# Altium PCB CC-B00-V00.PcbDoc (part 3 of 3)
Units mil, origin at the board's own origin, x right, y up, seen from the top; angles counter-clockwise.
Board outline 4330.71 x 2618.11 mil, 2 copper layers (Top Layer, Bottom Layer), stack 61.8 mil thick; 271 components, 197 nets, 827 pads, 294 vias.
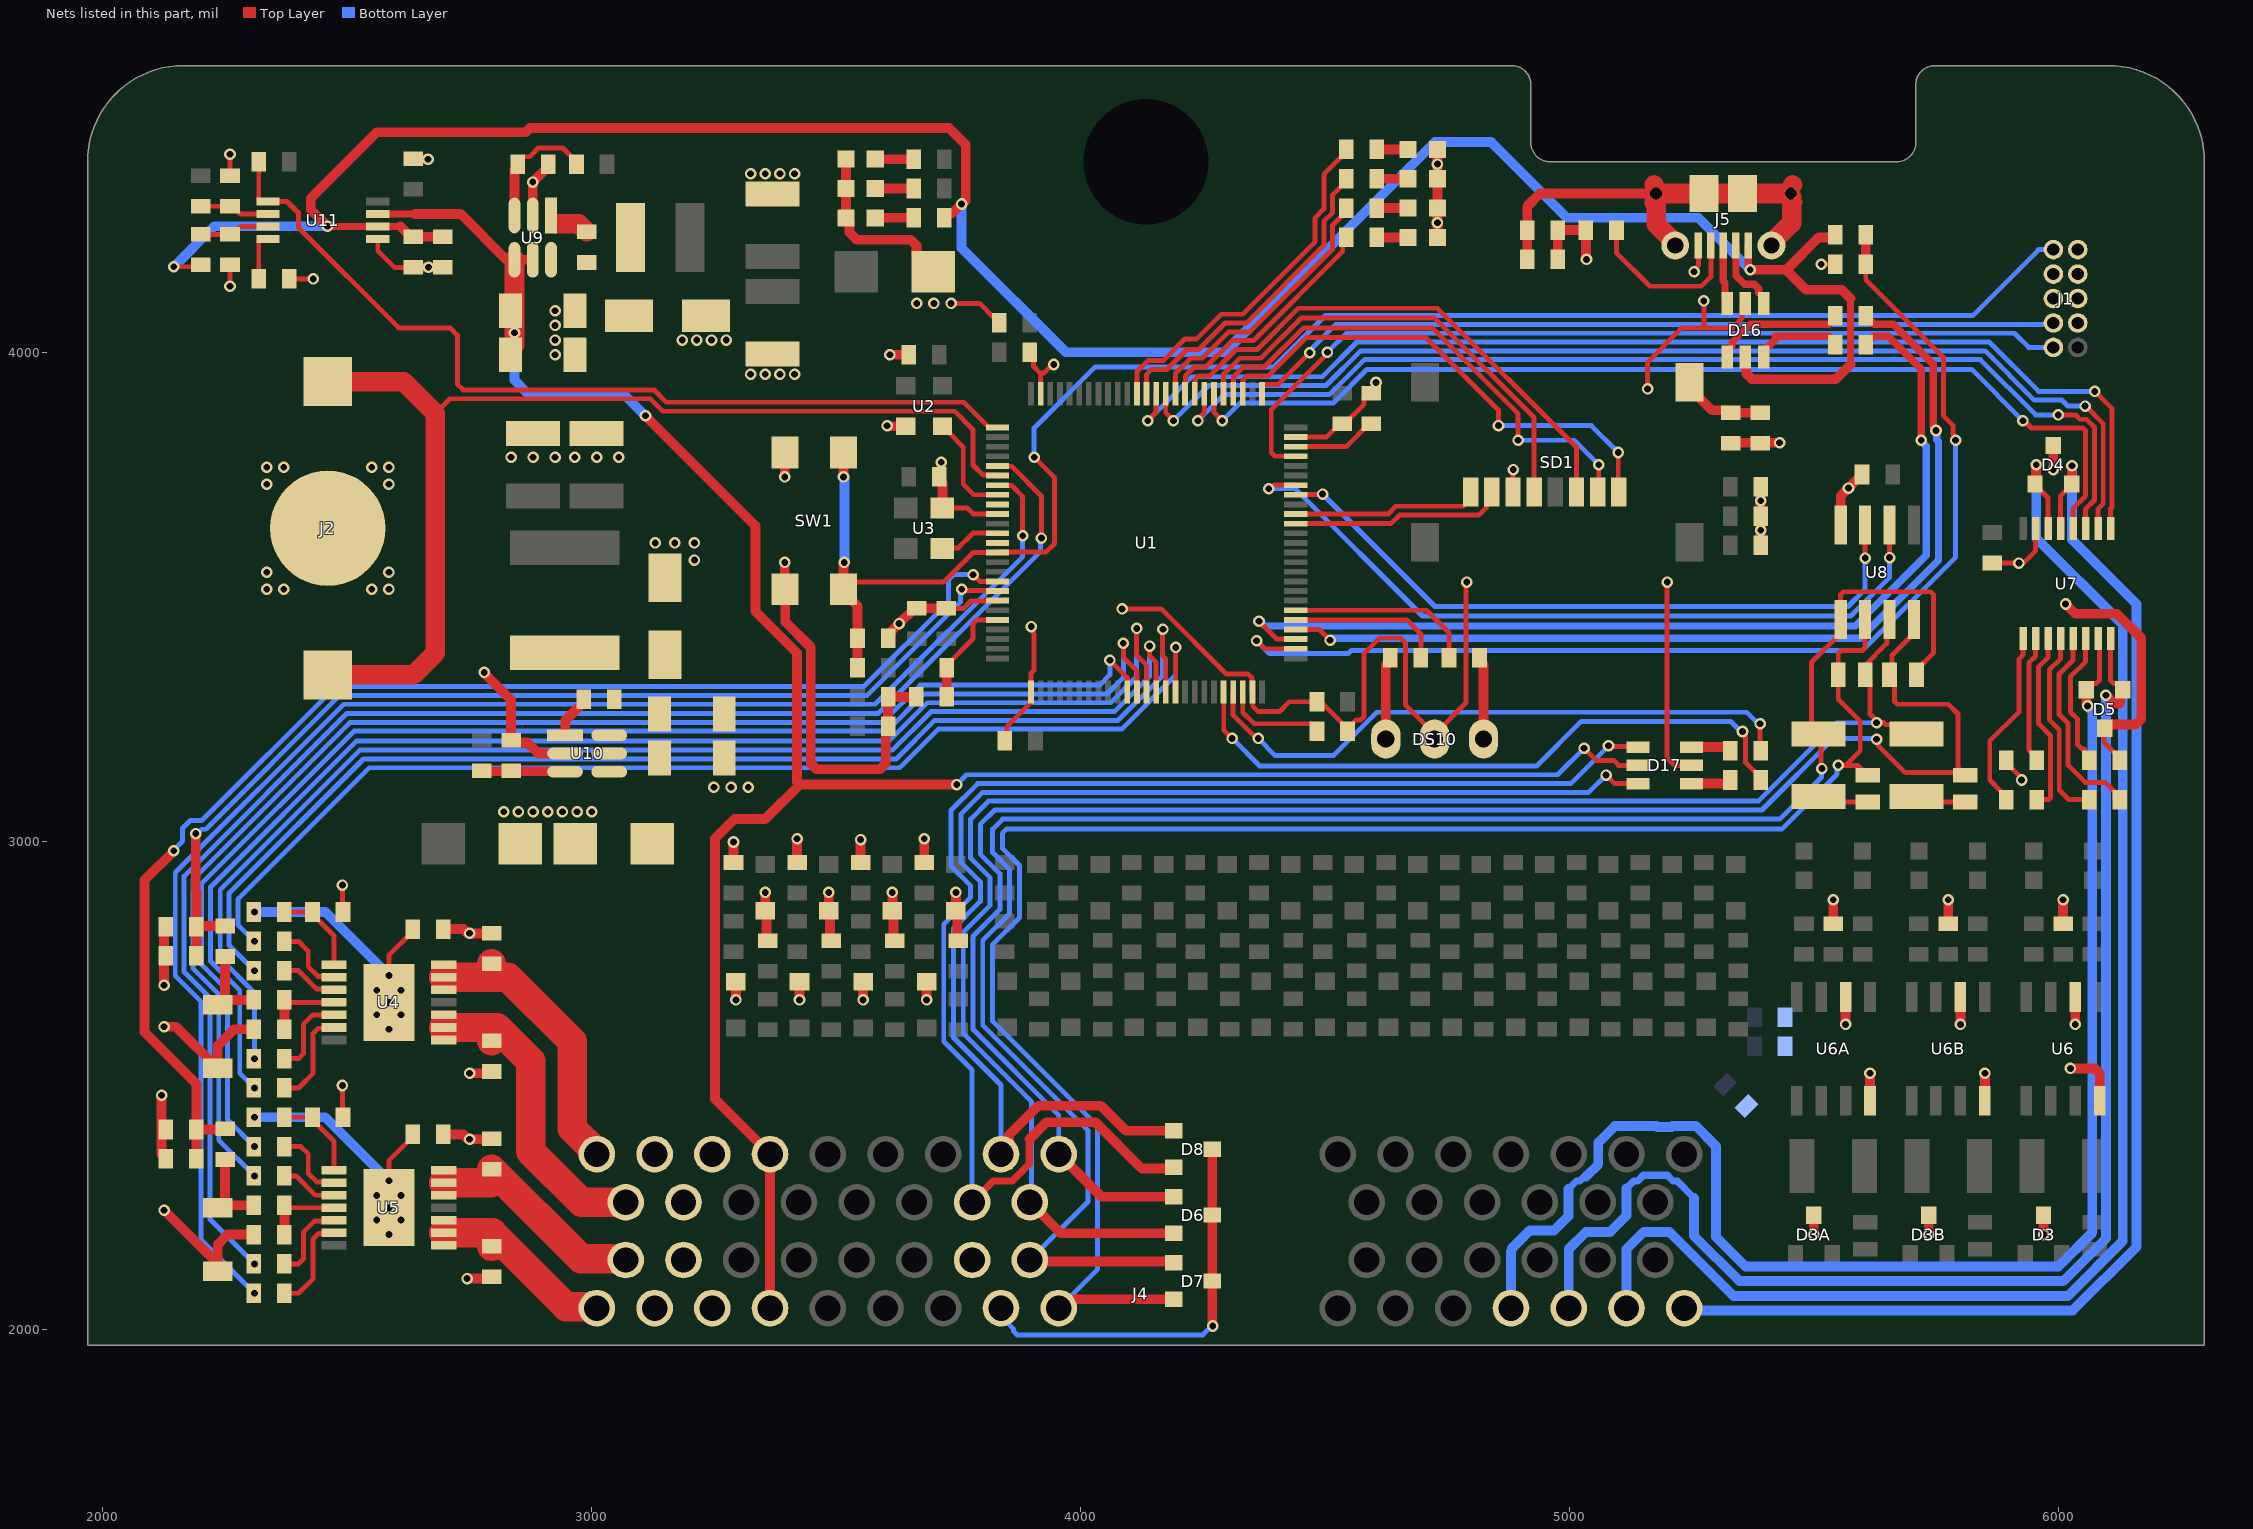
[diagram p3: the nets of this part, all layers, seen from the top]

## Via types
v1: diameter 23.62, hole 13.78, Top Layer to Bottom Layer, tented both sides, 294 vias

## Nets (pads, with @x,y where several pads share a name; then routed paths per layer and width w, separated by ;. In a path a pad name is that pad's centre, name@x,y a point inside that pad or via, vN(x,y) a via of type N, cw(c..) or ccw(c..) an arc to the next point about the centre after c; other vN are vias at no path point) (continued)
GND: C1.1 C2.1 C3.1 C4.1 C5.1 C6.1 C7.1 C8.1 C9.1 C10.1 C11.1 C12.1 C13.2 C14.1 C15.1 C17.1 C18.1 C19.2 C20.1 C21.1 C23.1 C24.1 C25.1 C25A.1 C25B.1 C28.1 C29.1 C30.1 C31.1 C33.1 C34.1 C35.1 C36.1 C37.1 C38.1 C39.1 C40.1 C41.2 C42.2 C43.1 C44.1 C45.1 C46A.1 C46B.1 C46C.1 C46D.1 C49.1 C50.1 C51.2 C52.1 C53.1 D1.A D2.A D3.3 D3A.3 D3B.3 D4.3 D5.3 D6.3 D7.3 D8.3 D11.A D12.A D13.A D14.A D15.A D16.2 D17.2 D18A.A D18B.A D18C.A D18D.A D19A.A D19B.A D19C.A D19D.A DS3.2 DS4.2 DS5.2 DS6.2 DS7.2 DS8.2 DS9.2 DS10.2 J1.3 J1.5 J1.9 J2.2 J4.B19 J4.B24 J4.B27 J4.B28 J4.B33 J5.5 L4.1 R8.2 R9.1 R16.2 R17.1 R28.1 R31.1 R33.2 R37.1 R38.2 R42.1 R44.1 R45.1 R49.1 R50.1 R51.1 R54A.1 R54B.1 R54C.1 R54D.1 R59.1 SD1.6 SW1.3 SW1.4 U1.10 U1.19 U1.26 U1.49 U1.74 U1.99 U2.2 U3.2 U6.2 U6.8 U6A.2 U6A.8 U6B.2 U6B.8 U7.15 U8.4 U9.2 U10.2 U11.5 | length 10566.1
  Top Layer w10: C23.1@2126.64,2352.12 C23.1@2128.76,2350 ; C17.1@2128.76,2825 C17.1@2130,2823.76 ; v1(2260,4135) R51.1@2260,4178.76 ; R50.1@2260,4361.24 v1(2260,4405) ; R49.1@2381.24,4150 v1(2430,4150) ; v1(2490,2500) 2490,2436.24 R17.1@2491.24,2435 ; v1(2490,2910) 2490,2856.24 R9.1@2491.24,2855 ; U11.5@2562.2,4231.61 2562.2,4207.8 2596.24,4173.76 C44.1@2635,4173.76 ; C21.1@2791.24,2105 C21.1@2795,2108.76 ; U3.2@3717.4,3681.34 3768.16,3681.34 3780.09,3669.41 U1.10@3829.56,3669.41 ; C1.1@3725,3476.24 3760.78,3476.24 3775.7,3491.15 3829.1,3491.15 U1.19@3829.88,3491.93 ; v1(3735,4100) 3793.76,4100 R59.1@3823.76,4070 ; C3.1@3845.21,3204.89 3849.03,3208.71 3849.03,3234.03 3897.87,3282.87 3897.87,3304.02 U1.26@3898.77,3304.92 3898.77,3343.89 3905,3350.12 3905,3425 3901.56,3428.44 3901.56,3436.35 v1(3898.96,3438.96) ; C6.1@3896.24,4000 3903.72,3992.51 3903.72,3971.28 3917.68,3957.32 ; U1.99@3918.77,3915.47 3917.68,3916.57 3917.68,3957.32 ; v1(3945,3975) 3942.44,3975 3924.76,3957.32 3917.68,3957.32 ; v1(4085,3475) 4165,3475 4298.45,3341.55 4343.14,3341.55 4350.75,3333.93 4350.75,3305.7 U1.49@4351.53,3304.92 4352.31,3304.14 4352.31,3275.92 4363.23,3265 4406.88,3265 4426.88,3285 C4.1@4483.76,3285 4491.24,3285 C10.1@4546.24,3230 ; v1@4269.37,2008.86 v1(4270.19,2008.04) ; U1.74@4440.11,3826.58 4502.81,3826.58 4530,3853.76 C5.1@4535,3853.76 4540,3853.76 4580,3893.76 4580,3906.24 4590,3916.24 C11.1@4595,3916.24 4604.41,3925.65 v1(4604.41,3938.19) ; C10.1@4546.24,3225 C10.1@4546.24,3230 ; DS10.2@4724.42,3208.67 DS10.2@4724.42,3218.67 ; v1(4790,3530) 4788.24,3528.24 4788.24,3282.49 DS10.2@4724.42,3218.67 ; SD1.6@4873.9,3724.72 SD1.6@4884.65,3713.98 4885,3714.33 v1(4885,3760) ; v1(5160,3925) 5160,3980 5230,4050 5275,4050 ; v1(5200,3530) 5200,3170 5215,3155 D17.2@5250,3155 ; v1(5255,4165) 5255,4168.37 5263.78,4177.15 J5.5@5263.78,4218.5 ; v1(5275,4105) 5275,4050 ; D16.2@5360,4100 5353.19,4093.19 5353.19,4069.53 5333.66,4050 5275,4050 ; v1(5515,4180) R33.2@5543.76,4180 ; C42.2@5865,3568.76 v1(5919.71,3568.76) 5928.76,3568.76 5953.79,3593.79 U7.15@5953.79,3639.11 ; C49.1@5893.76,3165 5893.76,3160 5922.39,3131.37 5922.39,3127.61 v1(5925,3125) ; D5.3@6092.49,3215 6093.64,3213.86 6093.64,3202.6 6126.24,3170 C50.1@6126.24,3165 ; C10.1@4546.24,3230 4564.16,3247.93 4572.93,3247.93 4580,3255 4580,3384.14 4610.86,3415 4655,3415 4665,3405 4665,3278.08 DS10.2@4724.42,3218.67
  Top Layer w20: v1(2120,2480) 2120,2358.76 C23.1@2126.64,2352.12 ; v1(2125,2245) D2.A@2235,2135 ; v1(2125,2620) 2150,2620 D1.A@2235,2535 2235,2581.62 2268.38,2615 R8.2@2308.76,2615 ; v1(2125,2705) 2125,2818.76 C17.1@2130,2823.76 ; D2.A@2235,2120 D2.A@2235,2135 ; R16.2@2308.76,2195 2255,2195 2235,2175 D2.A@2235,2135 ; C44.1@2635,4173.76 v1(2666.05,4173.76) C43.1@2695,4173.76 ; C45.1@2635,4396.24 2638.76,4400 2643.76,4395 v1(2665,4395) ; C13.2@2696.24,2400 2737.33,2400 2747.33,2390 v1(2750,2390) 2793.76,2390 C20.1@2795,2391.24 ; C19.2@2696.24,2820 2737.55,2820 2746.31,2811.24 v1(2750,2811.24) C14.1@2795,2811.24 ; v1(2745,2105) C21.1@2791.24,2105 ; v1(2750,2525) 2791.24,2525 C15.1@2795,2528.76 ; v1(2780,3345) 2780,3344.02 2835,3289.02 R31.1@2835,3206.24 2839.33,3201.9 2868.1,3201.9 2890.65,3179.35 U10.2@2945.27,3179.35 ; U9.2@2879.35,4279.73 v1(2879.35,4348.11) 2911.24,4380 R28.1@2911.24,4385 ; C46D.1@3290,2956.24 v1(3290,2998.19) ; v1(3295,2675) D19D.A@3295,2712.24 ; v1(3355,2895) D18D.A@3355,2857.76 3357.5,2855.26 3357.5,2798.74 R54D.1@3360,2796.24 ; v1(3395,3570) SW1.4@3395,3515 3395.78,3514.22 3395.78,3448.81 3448,3396.6 3448,3158.72 3459.72,3147 3589.52,3147 3601.24,3158.72 3601.24,3228.76 3606.24,3233.76 C7.1@3606.24,3235 C8.1@3606.24,3295 C9.1@3663.76,3295 ; v1(3395,3745) SW1.3@3395,3795 ; C46C.1@3420,2956.24 v1(3420,3005) ; v1(3425,2675) D19C.A@3425,2712.24 ; v1(3485,2895) D18C.A@3485,2857.76 3487.5,2855.26 3487.5,2798.74 R54C.1@3490,2796.24 ; DS4.2@3520,4395 DS3.2@3520,4335 DS5.2@3520,4275 3527.07,4267.93 3527.07,4244.64 3541.29,4230.42 3652.54,4230.42 3664.25,4218.71 3664.25,4197.52 3696.77,4165 D12.A@3698.74,4165 ; C46B.1@3550,2956.24 v1(3550,3003.19) ; v1(3555,2675) D19B.A@3555,2712.24 ; v1(3604.09,3849.83) 3605.26,3848.66 U2.2@3642.6,3848.66 ; C12.1@3606.24,3415 3611.24,3420 3611.24,3427.47 v1(3628.76,3445) 3660,3476.24 C2.1@3665,3476.24 C1.1@3725,3476.24 ; v1(3610,3995) C52.1@3648.76,3995 ; v1(3615,2895) D18B.A@3615,2857.76 3617.5,2855.26 3617.5,2798.74 R54B.1@3620,2796.24 ; C46A.1@3680,2956.24 v1(3680,3005) ; v1(3685,2675) D19A.A@3685,2712.24 ; v1(3715,3775) 3715,3748.76 C53.1@3711.24,3745 3711.24,3740 3717.4,3733.83 U3.2@3717.4,3681.34 ; v1(3745,2895) D18A.A@3745,2857.76 3747.5,2855.26 3747.5,2798.74 R54A.1@3750,2796.24 ; R59.1@3828.76,4070 3833.76,4065 R59.1@3833.76,4060 ; v1@4269.37,2008.86 D7.3@4269.37,2100 D6.3@4269.37,2235 D8.3@4269.37,2370 ; DS6.2@4730,4235 v1(4730,4265) DS7.2@4730,4295 DS8.2@4730,4355 v1(4730,4385) DS9.2@4730,4415 ; C37.1@4976.24,4190 R38.2@4976.24,4250 R37.1@5033.76,4250 5033.76,4192.22 5035,4190.98 v1(5035,4190) ; R42.1@5330,3813.76 5331.24,3815 C41.2@5391.24,3815 ; C41.2@5390,3813.76 C41.2@5391.24,3815 ; C40.1@5391.24,3605 v1(5391.24,3635.96) C39.1@5391.24,3665 v1(5391.24,3696.3) C38.1@5391.24,3725 ; v1(5430,3815) C41.2@5391.24,3815 ; v1(5500,2195) D3A.3@5500,2234.37 ; C25A.1@5540,2831.24 v1(5540,2880) ; U8.4@5555,3647.05 5555,3706.24 v1(5571.02,3722.26) C51.2@5598.76,3750 ; v1(5565,2625) U6A.2@5564.97,2681.25 ; U6A.8@5614.97,2468.72 v1(5615,2525) ; v1(5735,2195) D3B.3@5735,2234.37 ; C25B.1@5775,2831.24 v1(5775,2880) ; v1(5800,2625) U6B.2@5799.97,2681.25 ; U6B.8@5849.97,2468.72 v1(5850,2525) ; v1(5970,2195) D3.3@5970,2234.37 ; v1(5990,3760) D4.3@5990,3809.37 ; C25.1@6010,2831.24 v1(6010,2880) ; v1(6015,3485) 6035,3465 6120,3465 6170,3415 6170,3250.06 6158.28,3238.35 6100.75,3238.35 6095,3232.6 D5.3@6095,3230.63 ; v1(6025,2535) 6074.93,2535 6084.97,2524.97 U6.8@6084.97,2468.72 ; v1(6035,2625) U6.2@6034.97,2681.25
  Bottom Layer w10: J4.B33@3837.24,2044.59 3837.24,2027 3862.93,2001.31 3862.93,1997.07 3870,1990 4250.31,1990 4268.36,2008.04 v1(4270.19,2008.04)
  other v1: 2820,3060 2850,3060 2880,3060 2910,3060 2940,3060 2970,3060 3000,3060 3250,3110 3285,3110 3320,3110 2335,3515 2370,3515 2550,3515 2585,3515 2335,3550 2585,3550 3210,3575 3130,3610 3170,3610 3210,3610 2335,3730 2585,3730 2335,3765 2370,3765 2550,3765 2585,3765 2835,3785 2880,3785 2925,3785 2965,3785 3010,3785 3055,3785 3325,3955 3355,3955 3385,3955 3415,3955 2925,3995 2925,4025 3185,4025 3215,4025 3245,4025 3275,4025 2925,4055 2925,4085 3665,4100 3700,4100 3325,4365 3355,4365 3385,4365 3415,4365
HSADC1: C17.2 C18.2 R6.1 U1.18 | length 2172.7
  Top Layer w10: C17.2@2191.24,2825 C17.2@2192.47,2826.24 ; v1(3756.81,3515) 3759.41,3512.4 3829.1,3512.4 U1.18@3829.88,3511.62
  Top Layer w20: v1(2189.67,3015.33) 2189.67,2897.8 2191.24,2896.24 C17.2@2191.24,2825 C18.2@2191.24,2765 ; C17.2@2192.47,2826.24 R6.1@2250,2826.24
  Bottom Layer w10: v1(2189.67,3015.33) 2193.36,3015.33 2202.17,3024.14 2210.95,3024.14 2484.81,3298 3563.46,3298 3754.2,3488.75 3754.2,3512.39 v1(3756.81,3515)
"HSADC1 A": R7.2 R8.1 U4.4 | length 163.6
  Top Layer w10: R7.2@2371.24,2675 2376.24,2670 U4.4@2472.8,2670
  Top Layer w20: R8.1@2371.24,2615 R7.2@2371.24,2675
"HSADC1 B": D1.K R6.2 R7.1 | length 168.7
  Top Layer w10: D1.K@2235,2665 2245,2675 D1.K@2250,2680
  Top Layer w20: D1.K@2245,2675 R7.1@2308.76,2675 ; D1.K@2250,2680 R6.2@2250,2763.76
HSADC2: C23.2 C24.2 R14.1 U1.17 | length 2725.8
  Top Layer w10: R14.1@2248.76,2410 R14.1@2250,2411.24 ; v1(3780,3545) 3793.7,3531.3 U1.17@3829.88,3531.3
  Top Layer w20: v1(2145,2980) 2085,2920 2085,2609.54 2191.24,2503.31 C24.2@2191.24,2410 ; C23.2@2191.24,2350 C24.2@2191.24,2410 ; R14.1@2248.76,2410 C24.2@2191.24,2410
  Bottom Layer w10: v1(2145,2980) 2145,2982.19 2162.86,3000.05 2162.86,3026.43 2178.57,3042.14 2202.14,3042.14 2476,3316 3556,3316 3730,3490 3730,3535 3740,3545 v1(3780,3545)
"HSADC2 A": R15.2 R16.1 U5.4 | length 153.6
  Top Layer w10: R15.2@2371.24,2245 2376.24,2250 U5.4@2472.8,2250
  Top Layer w20: R16.1@2371.24,2195 R15.2@2371.24,2245
"HSADC2 B": D2.K R14.2 R15.1 | length 161.7
  Top Layer w10: D2.K@2245,2255 2242.5,2257.5 D2.K@2250,2265
  Top Layer w20: D2.K@2245,2255 R15.1@2308.76,2255 ; D2.K@2250,2265 R14.2@2250,2348.76
HSDIAG1: R4.1 U1.39 | length 2619.3
  Top Layer w10: R4.1@2308.76,2555 v1(2310,2555) ; v1(4141.18,3399.02) 4141.18,3378.82 4154.68,3365.32 U1.39@4154.68,3304.92
  Bottom Layer w10: v1(2310,2555) 2310,2690 2240,2760 2240,2900.46 2525.54,3186 3615.09,3186 3694.09,3265 4069.09,3265 4141.18,3337.09 v1(4141.18,3399.02)
HSDIAG1R: R4.2 U4.5 | length 173.7
  Top Layer w10: R4.2@2371.24,2555 2400,2555 2410,2565 2410,2625 2429.41,2644.41 U4.5@2472.8,2644.41
HSDIAG2: R5.1 U1.40 | length 2502.1
  Top Layer w10: R5.1@2308.76,2735 v1(2310,2735) ; v1(4168.54,3433.54) 4167.99,3432.99 4167.99,3379.31 4174.37,3372.94 U1.40@4174.37,3304.92
  Bottom Layer w10: v1(2310,2735) 2258,2787 2258,2893 2533,3168 3622.54,3168 3701.54,3247 4076.54,3247 4167.99,3338.45 4167.99,3432.99 v1(4168.54,3433.54)
HSDIAG2R: R5.2 U4.3 | length 117.9
  Top Layer w10: R5.2@2371.24,2735 2400,2735 2437.68,2697.32 2471.06,2697.32 U4.3@2472.8,2695.59
HSDIAG3: R12.1 U1.5 | length 3110.7
  Top Layer w10: R12.1@2308.76,2135 v1(2310,2135) ; U1.5@3829.88,3767.52 3830.66,3766.74 3858.88,3766.74 3920,3705.63 v1(3920,3620)
  Bottom Layer w10: v1(2310,2135) 2219,2226 2219,2679.18 2166,2732.18 2166,2928.28 2498.72,3261 3586,3261 3918.19,3593.19 3918.19,3618.19 v1(3920,3620)
HSDIAG3R: R12.2 U5.5 | length 170.8
  Top Layer w10: R12.2@2371.24,2135 2400,2135 2410,2145 2410,2200 2432.68,2222.68 2471.06,2222.68 U5.5@2472.8,2224.41
HSDIAG4: R13.1 U1.36 | length 2818.7
  Top Layer w10: R13.1@2308.76,2315 v1(2310,2315) ; v1(4060,3370) 4095.63,3334.37 U1.36@4095.63,3304.92
  Bottom Layer w10: v1(2310,2315) 2237,2388 2237,2686.63 2184,2739.63 2184,2920.82 2506.18,3243 3595.72,3243 3671.72,3319 4039,3319 4060,3340 v1(4060,3370)
HSDIAG4R: R13.2 U5.3 | length 117.9
  Top Layer w10: R13.2@2371.24,2315 2395,2315 2434.41,2275.59 U5.3@2472.8,2275.59
HSEN1: R2.1 U1.41 | length 2358.3
  Top Layer w10: R2.1@2308.76,2795 v1(2310,2795) ; U1.41@4194.05,3304.92 4194.8,3305.68 v1(4194.8,3396.26)
  Bottom Layer w10: v1(2310,2795) 2276,2829 2276,2881 2545,3150 3630,3150 3709,3229 4084,3229 4194.8,3339.8 v1(4194.8,3396.26)
HSEN1R: R2.2 U4.2 | length 150.7
  Top Layer w10: R2.2@2371.24,2795 2400,2795 2420,2775 2420,2743.28 2440.37,2722.91 2471.06,2722.91 U4.2@2472.8,2721.18
HSEN2: R3.1 U1.38 | length 2760.2
  Top Layer w10: R3.1@2308.76,2495 v1(2310,2495) ; v1(4115,3435) 4114.37,3434.37 4114.37,3380.17 4135,3359.55 U1.38@4135,3304.92
  Bottom Layer w10: v1(2310,2495) 2280,2525 2280,2694.54 2220,2754.54 2220,2905.91 2519.09,3205 3608.63,3205 3686.63,3283 4061.63,3283 4114.37,3335.74 4114.37,3434.37 v1(4115,3435)
HSEN2R: R3.2 U4.6 | length 200.6
  Top Layer w10: R3.2@2371.24,2495 2400,2495 2430,2525 2430,2606.49 2440.6,2617.09 2471.06,2617.09 U4.6@2472.8,2618.82
HSEN3: R10.1 U1.37 | length 2826.5
  Top Layer w10: v1(4087.56,3405) 4087.56,3376.3 4115.31,3348.56 U1.37@4115.31,3304.92
  Top Layer w20: R10.1@2308.76,2375 v1(2310,2375)
  Bottom Layer w10: v1(2310,2375) 2255,2430 2255,2694.09 2202,2747.09 2202,2913.37 2513.63,3225 3603.18,3225 3679.18,3301 4054.18,3301 4087.56,3334.38 v1(4087.56,3405)
HSEN3R: R10.2 U5.2 | length 155.6
  Top Layer w10: R10.2@2371.24,2375 2405,2375 2420,2360 2420,2320 2437.09,2302.91 2471.06,2302.91 U5.2@2472.8,2301.18
HSEN4: R11.1 U1.7 | length 3114.4
  Top Layer w10: R11.1@2308.76,2075 v1(2310,2075) ; U1.7@3829.88,3728.15 3830.66,3727.37 3858.88,3727.37 3881.54,3704.71 v1(3881.54,3624.4)
  Bottom Layer w10: v1(2310,2075) 2201,2184 2201,2671.72 2148,2724.72 2148,2935.73 2492.27,3280 3579.54,3280 3881.54,3582 v1(3881.54,3624.4)
HSEN4R: R11.2 U5.6 | length 200.6
  Top Layer w10: R11.2@2371.24,2075 2400,2075 2430,2105 2430,2186.49 2440.6,2197.09 2471.06,2197.09 U5.6@2472.8,2198.82
HSGND1: C16.1 R9.2 U4.1 | length 184
  Top Layer w10: C16.1@2371.24,2855 R9.2@2428.76,2855 2428.76,2850 2472.8,2805.97 U4.1@2472.8,2746.77
HSGND2: C22.1 R17.2 U5.1 | length 184
  Top Layer w10: C22.1@2371.24,2435 R17.2@2428.76,2435 2428.76,2430 2472.8,2385.97 U5.1@2472.8,2326.77
HSOUT1: C14.2 J4.B1 U4.12 U4.13 U4.14 | length 596.1
  Top Layer w60: U4.13@2697.2,2721.18 2795,2721.18 ; C14.2@2795,2748.76 2795,2721.18 ; J4.B1@3010.47,2359.55 3010.47,2361.72 2960,2412.2 2960,2590 2828.82,2721.18 2795,2721.18
HSOUT2: C15.2 J4.B10 U4.8 U4.9 U4.10 | length 661.1
  Top Layer w40: 2795,2607.64 2806.18,2618.82
  Top Layer w60: U4.9@2697.2,2618.82 2806.18,2618.82 2875,2550 2875,2365 2978.88,2261.12 J4.B10@3069.53,2261.12 ; C15.2@2795,2591.24 2795,2607.64
HSOUT3: C20.2 J4.B18 U5.12 U5.13 U5.14 | length 447.4
  Top Layer w60: U5.13@2697.2,2301.18 2793.15,2301.18 ; C20.2@2795,2328.76 2977.88,2145.88 3056.05,2145.88 3066.66,2145.88 J4.B18@3069.53,2143.01
HSOUT4: C21.2 J4.B26 U5.8 U5.9 U5.10 | length 403.8
  Top Layer w40: C21.2@2796.51,2172.75 2796.51,2198.82
  Top Layer w60: U5.9@2697.2,2198.82 2795,2198.82 ; C21.2@2795,2171.24 C21.2@2796.51,2172.75 ; 2796.51,2198.82 2947.87,2047.46 3007.6,2047.46 J4.B26@3010.47,2044.59
"JTAG A": J1.6
"JTAG B": J1.8
"JTAG C": J1.7
LED1: R39.2 U1.84 | length 495.9
  Top Layer w10: U1.84@4213.74,3915.16 4214.51,3915.94 4214.51,3951.69 4232.6,3969.78 4256.42,3969.78 4310.42,4023.78 4353.78,4023.78 4536.28,4206.28 4536.28,4227.51 R39.2@4543.76,4235
LED2: R40.2 U1.85 | length 564
  Top Layer w10: U1.85@4194.05,3915.16 4194.05,3956.69 4225.15,3987.78 4248.96,3987.78 4302.96,4041.78 4346.33,4041.78 4515.76,4211.22 4515.76,4249.85 4515.76,4260.38 4533.76,4278.38 4533.76,4285 R40.2@4543.76,4295
LED3: R41.2 U1.88 | length 667.2
  Top Layer w10: U1.88@4135,3915.16 4135,3955 4145,3965 4176.91,3965 4217.69,4005.78 4241.51,4005.78 4295.51,4059.78 4338.87,4059.78 4497.76,4218.68 4497.76,4267.84 4515.76,4285.84 4515.76,4322 4543.76,4350 R41.2@4543.76,4355
LED4: R43.2 U1.89 | length 735.4
  Top Layer w10: U1.89@4115.31,3915.16 4115.31,3960.77 4137.54,3983 4169.45,3983 4213.75,4027.29 4237.56,4027.29 4288.05,4077.78 4331.41,4077.78 4479.76,4226.13 4479.76,4275.3 4497.76,4293.3 4497.76,4364 4543.76,4410 R43.2@4543.76,4415
LED5: R55.2 U1.55 | length 316.8
  Top Layer w10: U1.55@4440.11,3452.56 4667.44,3452.56 4696.24,3423.76 R55.2@4696.24,3375
LED6: R56.2 U1.56 | length 383.9
  Top Layer w10: U1.56@4440.11,3472.25 4707.75,3472.25 4753.76,3426.24 R56.2@4753.76,3375
"LED 3V3": DS3.1 R27.1 | length 78.8
  Top Layer w20: DS3.1@3580,4335 R27.1@3658.76,4335
"LED 5V": DS4.1 R30.1 | length 72.9
  Top Layer w20: DS4.1@3585.88,4395 R30.1@3658.76,4395
"LED R1": DS6.1 R39.1 | length 63.8
  Top Layer w20: R39.1@4606.24,4235 DS6.1@4670,4235
"LED R2": DS7.1 R40.1 | length 63.8
  Top Layer w20: R40.1@4606.24,4295 DS7.1@4670,4295
"LED R3": DS8.1 R41.1 | length 63.8
  Top Layer w20: R41.1@4606.24,4355 DS8.1@4670,4355
"LED R4": DS9.1 R43.1 | length 63.8
  Top Layer w20: R43.1@4606.24,4415 DS9.1@4670,4415
"LED R5": DS10.1 R55.1 | length 170.2
  Top Layer w20: DS10.1@4624.42,3208.67 4624.42,3360.65 4633.76,3370 R55.1@4633.76,3375
"LED R6": DS10.3 R56.1 | length 169.7
  Top Layer w20: R56.1@4816.24,3375 4816.24,3370 4824.42,3361.82 DS10.3@4824.42,3208.67
NetC37_2: C37.2 J5.6 J5.7 J5.8 J5.9 J5.10 J5.11 R38.1 | length 874.2
  Top Layer w20: C37.2@4913.76,4190 R38.1@4913.76,4250 4913.76,4298.76 4940,4325 5165.55,4325 J5.11@5173.23,4332.68
  Top Layer w40: J5.11@5177.16,4324.8 J5.10@5275.59,4324.8 J5.9@5354.33,4324.8 5446.45,4324.8 5454.56,4316.69 5454.56,4297.48 5454.56,4264.3 5413.39,4223.13 J5.6@5413.39,4218.5 ; 5178.04,4298.5 5178.04,4261.62 5216.53,4223.13 J5.7@5216.53,4218.5
NRST: C12.2 J1.10 R1.1 SW1.1 SW1.2 U1.14 | length 3413.7
  Top Layer w10: SW1.2@3515,3515 3530,3530 3720,3530 3780.36,3590.36 U1.14@3829.88,3590.36 3830.66,3591.14 3929.05,3591.14 3946.81,3608.89 3946.81,3743.19 v1(3905,3785)
  Top Layer w20: v1(3515,3745) SW1.1@3515,3795 ; v1(3516.81,3570) 3516.81,3569.02 3515,3567.21 SW1.2@3515,3515 3515,3510 3543.76,3481.24 C12.2@3543.76,3415 R1.1@3543.76,3355
  Bottom Layer w10: v1(3905,3785) 3905,3845 4030,3970 4395,3970 4500,4075 5825,4075 5960,4210 J1.10@5990,4210
  Bottom Layer w20: v1(3515,3745) 3515,3744.02 3516.81,3742.21 v1(3516.81,3570)
"OSC32 IN": U1.8 U2.3 | length 216.3
  Top Layer w10: U2.3@3717.4,3848.66 3719.37,3848.66 3732.09,3835.95 3732.09,3833.98 3760,3806.06 3760,3730 3781.53,3708.47 U1.8@3829.88,3708.47
"OSC32 OUT": U1.9
"OSC IN": U1.12 U3.3 | length 125.6
  Top Layer w10: U3.3@3717.4,3598.66 3718.74,3600 3750,3600 3780,3630 3829.6,3630 U1.12@3829.88,3629.73
"OSC OUT": U1.13
PSEL: R46.1 U1.1 U11.1 | length 1858.4
  Top Layer w10: R46.1@2318.76,4390 2318.76,4311.67 2322.05,4308.39 U11.1@2337.8,4308.39 2376.61,4308.39 2400,4285 2400,4255 2605,4050 2710,4050 2725,4035 2725,3935 2737,3923 3127.46,3923 3152.73,3897.73 3760.7,3897.73 3812.16,3846.26 U1.1@3829.88,3846.26
"PSEL D0": R47.1 R50.2 U11.2 | length 144.4
  Top Layer w10: R47.1@2200,4298.76 R50.2@2260,4298.76 2265,4298.76 2280.97,4282.8 U11.2@2337.8,4282.8
"PSEL D1": R48.1 R51.2 U11.3 | length 144.4
  Top Layer w10: R48.1@2200,4241.24 R51.2@2260,4241.24 2265,4241.24 2280.97,4257.2 U11.3@2337.8,4257.2
"PSEL LIM": R49.2 U11.4 | length 98.7